# Altium PCB high-spped-thermocouple-logger-2ch.PcbDoc (part 2 of 3)
Units mm, origin at the board's own origin, x right, y up, seen from the top; angles counter-clockwise.
Board outline 200 x 100 mm, 4 copper layers (Top Layer, GND Layer, VCC Layer, Bottom Layer), stack 1.55 mm thick; 229 components, 201 nets, 660 pads, 226 vias.
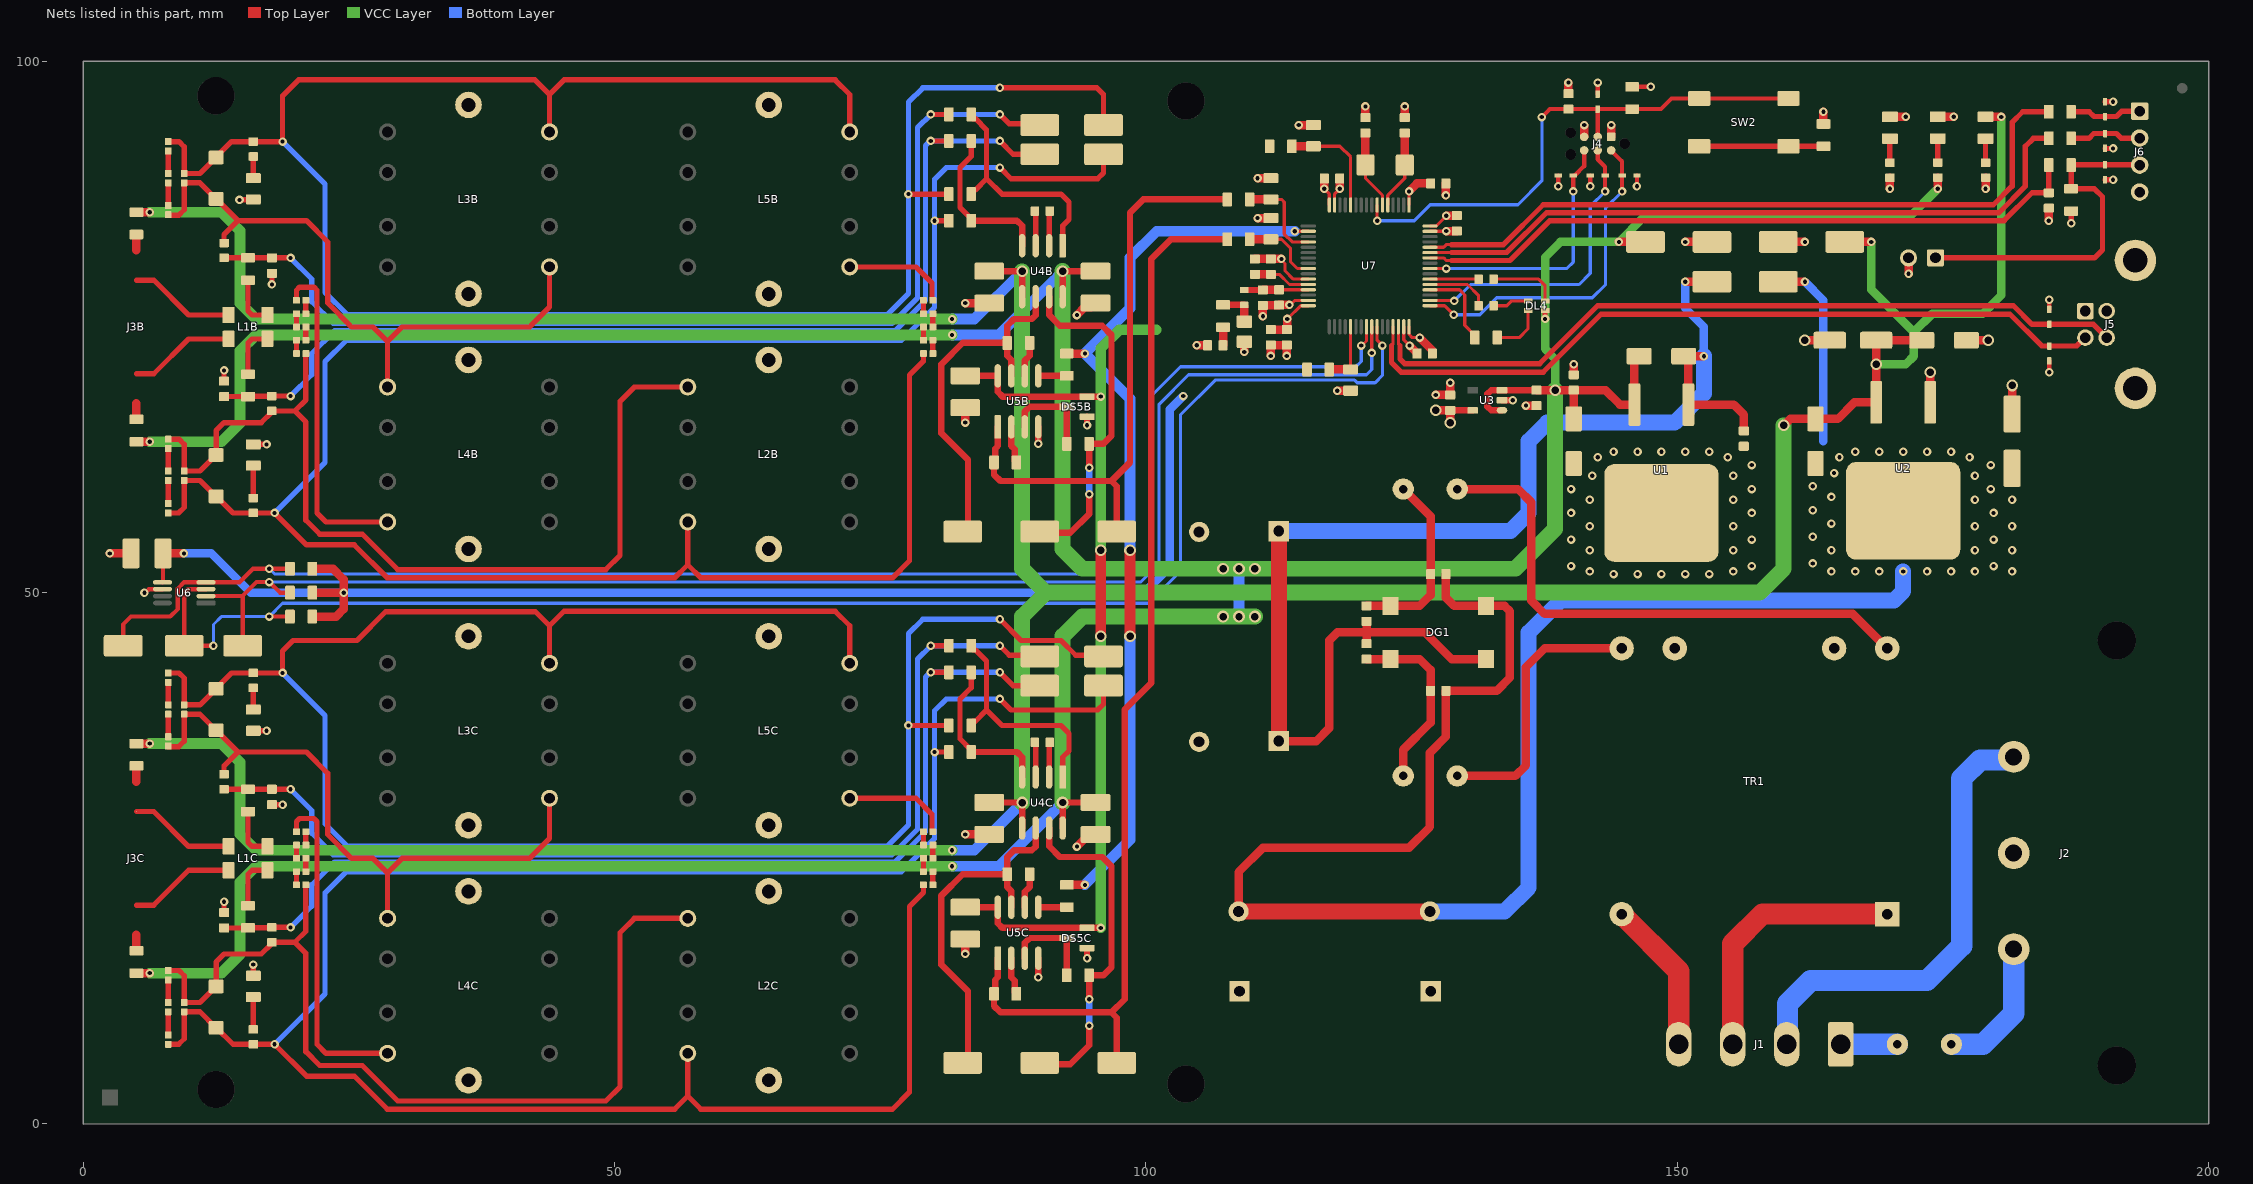
[diagram p4: the nets of this part, all layers, seen from the top]

## Part data
CE1 CE2 CE3 CE4: library part ECE-2200U35VXXM, "C; 2200u; 35V; 20%; Aluminum Electrolytic; ??;", Capacitance_F=0.0022, Dielectric_Type="Aluminum Electrolytic", Manufacturer="SU'SCON: SL035M222J26SR;;SU'SCON: SL035M222J26TKKKS00R", Tolerance_Pct=20, Voltage_Rating_V=35, Component_Class=Capacitor, ComponentLink1Description=Helios, ComponentLink1URL=heliosgreen://v1/hegMT/5-MT/Classes(343)/Folders/OpenForm?RecordNumbers=[380279], ComponentLink2Description=ECE-2200U35VXXM_Su'sconEN100.pdf, ComponentLink2URL=I:\datasheets\ECE-2200U35VXXM_Su'sconEN100.pdf, KK=ECE-2200U35VXXM, SMD=0, Status_I=Production, Status_II=Active
CE5: library part ECE+47U35VXX0, "C; 47u; 35V; 20%; Aluminum Electrolytic; ??;", Capacitance_F=4.7E-5, Dielectric_Type="Aluminum Electrolytic", Manufacturer="Surge, MPN: SVZ21V470M0605V1", Tolerance_Pct=20, Voltage_Rating_V=35, Component_Class=Capacitor, ComponentLink1Description=Helios, ComponentLink1URL=heliosgreen://v1/hegMT/5-MT/Classes(343)/Folders/OpenForm?RecordNumbers=[18329439], ComponentLink2Description=ECE+47U35VXX0_SurgeEN100.pdf, ComponentLink2URL=I:\DataSheets\ECE+47U35VXX0_SurgeEN100.pdf, KK=ECE+47U35VXX0, SMD=1, Status_I=Production, Status_II=Active
CE6: library part ECE+10U35VXXM, "C; 10u; 35V; 20%; Aluminum Electrolytic; ??;", Capacitance_F=1E-5, Dielectric_Type="Aluminum Electrolytic", Manufacturer="SAMWHA: SC1V106M05005VR259;;SAMWHA: SC1V106M05005VR289", Resistance_Ohm=20, Voltage_Rating_V=35, Component_Class=Capacitor, ComponentLink1Description=Helios, ComponentLink1URL=heliosgreen://v1/hegMT/5-MT/Classes(343)/Folders/OpenForm?RecordNumbers=[380259], ComponentLink2Description=ECE+10U35VXXM_Nippon.pdf, ComponentLink2URL=i:\datasheets\ECE+10U35VXXM_Nippon.pdf, ComponentLink3Description=ECE+10U35VXXM_Jamicon.pdf, ComponentLink3URL=i:\datasheets\ECE+10U35VXXM_Jamicon.pdf, ComponentLink4Description=ECE+10U35VXXM_Panasonic_serie_ECEV.pdf, ComponentLink4URL=i:\datasheets\ECE+10U35VXXM_Panasonic_serie_ECEV.pdf, ComponentLink5Description=ECE+10U35VXXM_Shamwha.pdf, ComponentLink5URL=i:\DataSheets\ECE+10U35VXXM_Shamwha.pdf, ComponentLink6Description=ECE+10U35VXXM-a.jpg, ComponentLink6URL=i:\DataSheets\SMD_parts_pictures\ECE+10U35VXXM-a.jpg, ComponentLink7Description=ECE+10U35VXXM-b.jpg, ComponentLink7URL=i:\DataSheets\SMD_parts_pictures\ECE+10U35VXXM-b.jpg, ComponentLink8Description=ECE+10U35VXXM-c.jpg, ComponentLink8URL=i:\DataSheets\SMD_parts_pictures\ECE+10U35VXXM-c.jpg, KK=ECE+10U35VXXM, SMD=1, Status_I=Production, Status_II=Active, Tolerance_Pct=20
CK1 CK2 CK5 CK6 CK21: library part ECK+10N50V0603XX0, "C; 10n; 50V; 5%; NP0/C0G; ??;", Capacitance_F=1E-8, Dielectric_Type=NP0/C0G, Manufacturer="TDK: C1608C0G1H103J080AA", Tolerance_Pct=5, Voltage_Rating_V=50, Component_Class=Capacitor, ComponentLink1Description=Helios, ComponentLink1URL=heliosgreen://v1/hegMT/5-MT/Classes(343)/Folders/OpenForm?RecordNumbers=[12587254], ComponentLink2Description=ECK+10N50V0603XX0_TdkEN100.pdf, ComponentLink2URL=I:\DataSheets\ECK+10N50V0603XX0_TdkEN100.pdf, KK=ECK+10N50V0603XX0, SMD=1, Status_I=Production, Status_II="Do not order. Upon confirmation."
CK3: library part ECK+470N50V0603XXK, "C; 470n; 50V; 10%; X7R; ??;", Capacitance_F=4.7E-7, Dielectric_Type=X7R, Manufacturer="TDK: C1608X7R1H474KT-S;;TDK: C1608X7R1H474KT000E;;TDK: C1608X7R1H474K080AC", Tolerance_Pct=10, Voltage_Rating_V=50, Component_Class=Capacitor, ComponentLink1Description=Helios, ComponentLink1URL=heliosgreen://v1/hegMT/5-MT/Classes(343)/Folders/OpenForm?RecordNumbers=[6094421], ComponentLink2Description=ECK+470N50V0603XXK_TDKEN100.pdf, ComponentLink2URL=i:\datasheets\ECK+470N50V0603XXK_TDKEN100.pdf, KK=ECK+470N50V0603XXK, Note="X7R: 440n @ 5V, 330n @ 12V, 170n @ 25V (TDK)", SMD=1, Status_I=Production, Status_II=Active
CK4 CK18 CK25 CK26 CK27 CK28 CK29 CK30: library part ECK+100N100VXX0, "C; 100n; 100V; 10%; X7R; ??;", Capacitance_F=1E-7, Dielectric_Type=X7R, Manufacturer="Murata Electronics: GRM188R72A104KA35D;;Yageo: CC0603KRX7R0BB104", Tolerance_Pct=10, Voltage_Rating_V=100, Component_Class=Capacitor, ComponentLink1Description=Helios, ComponentLink1URL=heliosgreen://v1/hegMT/5-MT/Classes(343)/Folders/OpenForm?RecordNumbers=[10556034], ComponentLink2Description=ECK+100N100VXX0_MurataEN100.pdf, ComponentLink2URL=I:\DataSheets\ECK+100N100VXX0_MurataEN100.pdf, ComponentLink3Description=ECK+100N100VXX0_YageoEN100.pdf, ComponentLink3URL=I:\DataSheets\ECK+100N100VXX0_YageoEN100.pdf, ComponentLink4Description=ECK+100N100VXX0_2_MurataEN100.pdf, ComponentLink4URL=i:\DataSheets\ECK+100N100VXX0_2_MurataEN100.pdf, ComponentLink5Description=ECK+100N100VXX0_2_YageoEN100.pdf, ComponentLink5URL=i:\DataSheets\ECK+100N100VXX0_2_YageoEN100.pdf, KK=ECK+100N100VXX0, SMD=1, Status_I=Production, Status_II=Active
CK7 CK8 CK22 CK23 CK31: library part ECK+1U50VXX0, "C; 1u; 50V; 10%; X5R; ??;", Capacitance_F=1E-6, Dielectric_Type=X5R, Manufacturer="TDK: C1608X5R1H105K080AB;;TDK: CGA3E3X5R1H105K080AB;;Murata: GRT188R61H105KE13D;;AVX: 06035D105KAT2A", Tolerance_Pct=10, Voltage_Rating_V=50, Component_Class=Capacitor, ComponentLink1Description=Helios, ComponentLink1URL=heliosgreen://v1/hegMT/5-MT/Classes(343)/Folders/OpenForm?RecordNumbers=[9390428], ComponentLink2Description=ECK+1U50VXX0_TDKEN100.pdf, ComponentLink2URL=i:\DataSheets\ECK+1U50VXX0_TDKEN100.pdf, ComponentLink3Description=ECK+1U50VXX0_AVX_EN100.pdf, ComponentLink3URL=I:\DataSheets\ECK+1U50VXX0_AVX_EN100.pdf, ComponentLink4Description=ECK+1U50VXX0_MurataEN100.pdf, ComponentLink4URL=I:\DataSheets\ECK+1U50VXX0_MurataEN100.pdf, ComponentLink5Description=ECK+1U50VXX0_TDK_EN101.pdf, ComponentLink5URL=I:\DataSheets\ECK+1U50VXX0_TDK_EN101.pdf, ComponentLink6Description=ECK+1U50VXX0_2_AVX_EN100.pdf, ComponentLink6URL=i:\DataSheets\ECK+1U50VXX0_2_AVX_EN100.pdf, KK=ECK+1U50VXX0, Note="X5R: 0.52uF @ 10V, 0.2uF @ 25V (Murata)", SMD=1, Status_I=Production, Status_II=Active
CK9B CK9C CK10B CK10C: library part ECK+220N16VXX0, "C; 220n; 16V; 10%; X7R; ??;", Capacitance_F=2.2E-7, Dielectric_Type=X7R, Manufacturer="TDK Corporation: C1608X7R1C224K080AC;;AVX Corporation: 0603YC224KAT2A;;Samsung: CL10B224KO8NNNC", Tolerance_Pct=10, Voltage_Rating_V=16, Component_Class=Capacitor, ComponentLink1Description=Helios, ComponentLink1URL=heliosgreen://v1/hegMT/5-MT/Classes(343)/Folders/OpenForm?RecordNumbers=[9390379], ComponentLink2Description=ECK+220N16VXX0_TDKEN100.pdf, ComponentLink2URL=i:\DataSheets\ECK+220N16VXX0_TDKEN100.pdf, ComponentLink3Description=ECK+220N16VXX0_AVXCorporationEN100.pdf, ComponentLink3URL=I:\DataSheets\ECK+220N16VXX0_AVXCorporationEN100.pdf, ComponentLink4Description=ECK+220N16VXX0_SamsungEN100.pdf, ComponentLink4URL=I:\DataSheets\ECK+220N16VXX0_SamsungEN100.pdf, ComponentLink5Description=ECK+220N16VXX0_2_SamsungEN100.pdf, ComponentLink5URL=i:\DataSheets\ECK+220N16VXX0_2_SamsungEN100.pdf, KK=ECK+220N16VXX0, SMD=1, Status_I=Production, Status_II=Active
CK11B CK11C CK12B CK12C: library part ECK+1N50VXXJ, "C; 1n; 50V; 5%; NP0/C0G; ??;", Capacitance_F=1E-9, Dielectric_Type=NP0/C0G, Manufacturer="YAGEO: CC0805JRNPO9BN102;;AVX: 0805 5A 102 JAT2A", Tolerance_Pct=5, Voltage_Rating_V=50, Component_Class=Capacitor, ComponentLink1Description=Helios, ComponentLink1URL=heliosgreen://v1/hegMT/5-MT/Classes(343)/Folders/OpenForm?RecordNumbers=[380366], ComponentLink2Description=ECK+1N50VXXJ_Yageo.pdf, ComponentLink2URL=i:\datasheets\ECK+1N50VXXJ_Yageo.pdf, ComponentLink3Description=ECK+1N50VXXJ_2_YageoEN100.pdf, ComponentLink3URL=i:\DataSheets\ECK+1N50VXXJ_2_YageoEN100.pdf, ComponentLink4Description=ECK+1N50VXXJ_AVX_EN100.pdf, ComponentLink4URL=i:\DataSheets\ECK+1N50VXXJ_AVX_EN100.pdf, KK=ECK+1N50VXXJ, SMD=1, Status_I=Production, Status_II=Active
CK13B CK13C CK14B CK14C CK15B CK15C CK17: library part ECK+10U50VXX0, "C; 10u; 50V; 10%; X7R; ??;", Capacitance_F=1E-5, Dielectric_Type=X7R, Manufacturer="Murata: GRM32ER71H106KA12L;;Samsung Electro-mechanics: CL32B106KBJNNNE", Tolerance_Pct=10, Voltage_Rating_V=50, Component_Class=Capacitor, ComponentLink1Description=Helios, ComponentLink1URL=heliosgreen://v1/hegMT/5-MT/Classes(343)/Folders/OpenForm?RecordNumbers=[10658879], ComponentLink2Description=ECK+10U50VXX0_MurataEN100.pdf, ComponentLink2URL=I:\DataSheets\ECK+10U50VXX0_MurataEN100.pdf, ComponentLink3Description=ECK+10U50VXX0_SamsungEN100.pdf, ComponentLink3URL=I:\DataSheets\ECK+10U50VXX0_SamsungEN100.pdf, KK=ECK+10U50VXX0, Note="X7R, 9uF @ 10V, 5uF @ 30V, 2.5uF @ 50V", SMD=1, Status_I=Production, Status_II=Active
CK16A CK16B CK16C CK16D: library part ECK+220P50VXXJ, "C; 220p; 50V; 5%; NP0/C0G; ??;", Capacitance_F=2.2E-10, Dielectric_Type=NP0/C0G, Manufacturer="SAMSUNG EM: CL21C221JBANNNC;;VISHAY: VJ0805A221JXACW1BC 220pF 50V 5%", Tolerance_Pct=5, Voltage_Rating_V=50, Component_Class=Capacitor, ComponentLink1Description=Helios, ComponentLink1URL=heliosgreen://v1/hegMT/5-MT/Classes(343)/Folders/OpenForm?RecordNumbers=[380369], ComponentLink2Description=ECK+1N50VXXJ_Yageo.pdf, ComponentLink2URL=i:\datasheets\ECK+1N50VXXJ_Yageo.pdf, ComponentLink3Description=ECK+220P50VXXJ_SamsungEmEN100, ComponentLink3URL=i:\DataSheets\ECK+220P50VXXJ_SamsungEmEN100.pdf, ComponentLink4Description=ECK+220P50VXXJ_VishayEN100, ComponentLink4URL=i:\DataSheets\ECK+220P50VXXJ_VishayEN100.pdf, ComponentLink5Description=ECK+220P50VXXJ_2_SamsungEN100.pdf, ComponentLink5URL=i:\DataSheets\ECK+220P50VXXJ_2_SamsungEN100.pdf, KK=ECK+220P50VXXJ, SMD=1, Status_I=Production, Status_II=Active
CK19 CK20: library part ECK+15P25VXX0, "C; 15p; 25V; 5%; NP0/C0G; ??;", Capacitance_F=1.5E-11, Dielectric_Type=NP0/C0G, Manufacturer="Samsung: CL10C150JB81PNC", Tolerance_Pct=5, Voltage_Rating_V=25, Component_Class=Capacitor, ComponentLink1Description=Helios, ComponentLink1URL=heliosgreen://v1/hegMT/5-MT/Classes(343)/Folders/OpenForm?RecordNumbers=[10889343], ComponentLink2Description=ECK+15P25VXX0_SamsungEN101.pdf, ComponentLink2URL=I:\DataSheets\ECK+15P25VXX0_SamsungEN101.pdf, ComponentLink3Description=ECK+15P25VXX0_2_SamsungEN101.pdf, ComponentLink3URL=i:\DataSheets\ECK+15P25VXX0_2_SamsungEN101.pdf, KK=ECK+15P25VXX0, SMD=1, Status_I=Production, Status_II=Active
CK24: library part ECK+4U725VXX0, "C; 4u7; 25V; 20%; X5R; ??;", Capacitance_F=4.7E-6, Dielectric_Type=X5R, Manufacturer="TDK Corporation: C1608X5R1E475M080AC", Tolerance_Pct=20, Voltage_Rating_V=25, Component_Class=Capacitor, ComponentLink1Description=Helios, ComponentLink1URL=heliosgreen://v1/hegMT/5-MT/Classes(343)/Folders/OpenForm?RecordNumbers=[8599163], ComponentLink2Description="ECK+4U725VXX0_TDK CorporationEN100.pdf", ComponentLink2URL="I:\DataSheets\ECK+4U725VXX0_TDK CorporationEN100.pdf", KK=ECK+4U725VXX0, Note="X5R, 1.2uF @ 10V, 2.6uF @ 5V, 3.6uF @ 3.3V", SMD=1, Status_I=Production, Status_II=Active
CK32C CK32D CK32E CK32F CK33C CK33D CK33E CK33F CK34C CK34D CK34E CK34F CK35C CK35D CK35E CK35F CK37C CK37D CK37E CK37F CK38C CK38D CK38E CK38F CK40C CK40D CK40E CK40F: library part ECK+470P50V0402XX0, "C; 470p; 50V; 1%; NP0/C0G; ??;", Capacitance_F=4.7E-10, Dielectric_Type=NP0/C0G, Manufacturer="Kemet: C0402C471F5GAC7867;;Murata: GRM1555C1H471FA01D", Tolerance_Pct=1, Voltage_Rating_V=50, Component_Class=Capacitor, ComponentLink1Description=Helios, ComponentLink1URL=heliosgreen://v1/hegMT/5-MT/Classes(343)/Folders/OpenForm?RecordNumbers=[14965054], ComponentLink2Description=ECK+470P50V0402XX0_KemetEN100.pdf, ComponentLink2URL=I:\DataSheets\ECK+470P50V0402XX0_KemetEN100.pdf, ComponentLink3Description=ECK+470P50V0402XX0_MurataEN100.pdf, ComponentLink3URL=I:\DataSheets\ECK+470P50V0402XX0_MurataEN100.pdf, ComponentLink4Description=ECK+470P50V0402XX0_2_KemetEN100.pdf, ComponentLink4URL=i:\DataSheets\ECK+470P50V0402XX0_2_KemetEN100.pdf, ComponentLink5Description=ECK+470P50V0402XX0_2_MurataEN100.pdf, ComponentLink5URL=i:\DataSheets\ECK+470P50V0402XX0_2_MurataEN100.pdf, KK=ECK+470P50V0402XX0, SMD=1, Status_I=Production, Status_II=Active
CK36C CK36D CK36E CK36F CK39C CK39D CK39E CK39F: library part ECK+220P50V0402XX0, "C; 220p; 50V; 1%; NP0/C0G; ??;", Capacitance_F=2.2E-10, Dielectric_Type=NP0/C0G, Manufacturer="YAGEO: CC0402FRNPO9BN221", Tolerance_Pct=1, Voltage_Rating_V=50, Component_Class=Capacitor, ComponentLink1Description=Helios, ComponentLink1URL=heliosgreen://v1/hegMT/5-MT/Classes(343)/Folders/OpenForm?RecordNumbers=[15269853], ComponentLink2Description=ECK+220P50V0402XX0_YAGEO_NP0_EN100.pdf, ComponentLink2URL=I:\DataSheets\ECK+220P50V0402XX0_YAGEO_NP0_EN100.pdf, ComponentLink3Description=ECK+220P50V0402XX0_2_YageoEN100.pdf, ComponentLink3URL=i:\DataSheets\ECK+220P50V0402XX0_2_YageoEN100.pdf, KK=ECK+220P50V0402XX0, SMD=1, Status_I=Production, Status_II=Active
CK41: library part ECK+100N50V0603XXK, "C; 100n; 50V; 10%; X7R; ??;", Capacitance_F=1E-7, Dielectric_Type=X7R, Manufacturer="SAMSUNG EM: CL10B104KB8NNNC;;SAMSUNG EM: CL10B104KB8NNNO;;SAMSUNG EM: CL10B104KB8NNND", Tolerance_Pct=10, Voltage_Rating_V=50, Component_Class=Capacitor, ComponentLink1Description=Helios, ComponentLink1URL=heliosgreen://v1/hegMT/5-MT/Classes(343)/Folders/OpenForm?RecordNumbers=[6094397], ComponentLink2Description=ECK+100N50V0603XXK_SamsungEN100.pdf, ComponentLink2URL=i:\datasheets\ECK+100N50V0603XXK_SamsungEN100.pdf, ComponentLink3Description=ECK+100N50V0603XXK_Samsung_2EN100.pdf.pd, ComponentLink3URL=I:\datasheets\ECK+100N50V0603XXK_Samsung_2EN100.pdf.pdf, KK=ECK+100N50V0603XXK, SMD=1, Status_I=Production, Status_II=Active
CVAR1C CVAR1D CVAR1E CVAR1F: library part CTSC3S, "3.5 - 10pF, 50V", ComponentLink1Description=Datasheet, ComponentLink1URL=https://store.comet.bg/download-file.php?id=2362
DG1: library part EDG+DF04SXX0, "D; Bridge; 400V; 1A; 1x;", Current_Rating_A=1, Manufacturer="YYE: DB107S T/R;;MicroElectronics: DB107S T/R;;GENERAL SEMICONDUCTOR: DF04S(A);;FAI: DF04S;;DIOTEC: B250(F)S", Reverse_Voltage_Rating_V=400, Component_Class=Diode, ComponentLink1Description=Helios, ComponentLink1URL=heliosgreen://v1/hegMT/5-MT/Classes(343)/Folders/OpenForm?RecordNumbers=[380577], ComponentLink2Description=EDG+DF04SXX0_Vishay.pdf, ComponentLink2URL=i:\DataSheets\EDG+DF04SXX0_Vishay.pdf, ComponentLink3Description=EDG+DF04SXX0_Fairchild.pdf, ComponentLink3URL=i:\DataSheets\EDG+DF04SXX0_Fairchild.pdf, ComponentLink4Description=EDG+DF04SXX0-a.jpg, ComponentLink4URL=i:\DataSheets\SMD_parts_pictures\EDG+DF04SXX0-a.jpg, Diode_Type=Bridge, KK=EDG+DF04SXX0, Multiplicity=1, SMD=1, Status_I=Production, Status_II=Active
DL1 DL2: library part EDL+SMDBLUEXX0, "Ind; Light; Blue;", Manufacturer="MULTICOMP: OVS-0803", Component_Class=Indicator, ComponentLink1Description=Helios, ComponentLink1URL=heliosgreen://v1/hegMT/5-MT/Classes(343)/Folders/OpenForm?RecordNumbers=[3654099], ComponentLink2Description=EDL+SMDBLUEXX0_Multicomp.pdf, ComponentLink2URL=i:\DataSheets\EDL+SMDBLUEXX0_Multicomp.pdf, Indicator_Output=Blue, Indicator_Type=Light, KK=EDL+SMDBLUEXX0, Note=465nm, SMD=1, Status_I=Production, Status_II=Active
DL3: library part EDL+SMDGREENXX0, "Ind; Light; Green;", Manufacturer="HEBEI: 0805KGCT;;BRIGHTLED: BL-HGE35A-AV-TRB", Component_Class=Indicator, ComponentLink1Description=Helios, ComponentLink1URL=heliosgreen://v1/hegMT/5-MT/Classes(343)/Folders/OpenForm?RecordNumbers=[380588], ComponentLink2Description=EDL+SMDGREENXX0_KingBright.pdf, ComponentLink2URL=i:\datasheets\EDL+SMDGREENXX0_KingBright.pdf, ComponentLink3Description=EDL+SMDGREENXX0_Hebei_EN100, ComponentLink3URL=i:\DataSheets\EDL+SMDGREENXX0_Hebei_EN100.pdf, ComponentLink4Description=EDL+SMDGREENXX0_Brightled_EN100, ComponentLink4URL=i:\DataSheets\EDL+SMDGREENXX0_Brightled_EN100.pdf, Indicator_Output=Green, Indicator_Type=Light, KK=EDL+SMDGREENXX0, Note=570nm, SMD=1, Status_I=Production, Status_II=Active
DL4: library part EDL+150066M173000X00, "Ind; Light; Red/Green/Blue;", Manufacturer="Würth: 150066M173000", Component_Class=Indicator, ComponentLink1Description=Helios, ComponentLink1URL=heliosgreen://v1/hegMT/5-MT/Classes(343)/Folders/OpenForm?RecordNumbers=[12710357], ComponentLink2Description=EDL+150066M173000_WurthEN100.pdf, ComponentLink2URL=i:\DataSheets\EDL+150066M173000_WurthEN100.pdf, Indicator_Output=Red/Green/Blue, Indicator_Type=Light, KK=EDL+150066M173000X00, SMD=1, Status_I=Production, Status_II=Active
DS1 DS2 DS3 DS4: library part EDS+B340AXX0, "D; Schottky; 40V; 3A; 1x;", Current_Rating_A=3, Manufacturer="DIODES INC: B340A-13-F;;ONS: MBRA340T3G;;VISHAY: SSA34;;BOURNS: B340LF;;MCC: SK34A-LTP", Reverse_Voltage_Rating_V=40, Component_Class=Diode, ComponentLink1Description=Helios, ComponentLink1URL=heliosgreen://v1/hegMT/5-MT/Classes(343)/Folders/OpenForm?RecordNumbers=[4517485], ComponentLink2Description=EDS+B340AXX0_Vishay.pdf, ComponentLink2URL=i:\DataSheets\EDS+B340AXX0_Vishay.pdf, ComponentLink3Description=EDS+B340AXX0_OnSemi.pdf, ComponentLink3URL=i:\datasheets\EDS+B340AXX0_OnSemi.pdf, ComponentLink4Description=EDS+B340AXX0_Diodes.pdf, ComponentLink4URL=i:\DataSheets\EDS+B340AXX0_Diodes.pdf, ComponentLink5Description=EDS+B340AXX0_Bourns.pdf, ComponentLink5URL=i:\datasheets\EDS+B340AXX0_Bourns.pdf, ComponentLink6Description=EDS+B340AXX0_MCCEN100.pdf, ComponentLink6URL=I:\DataSheets\EDS+B340AXX0_MCCEN100.pdf, Diode_Type=Schottky, KK=EDS+B340AXX0, Multiplicity=1, SMD=1, Status_I=Production, Status_II=Active
DS5B DS5C: library part EDS+BAT54SXX0, "D; Schottky; 30V; 0.2A; 2x;", Current_Rating_A=0.2, Manufacturer="Diotec: BAT54S;;Philips: BAT54S,235;;FAI: BAT54S;;DIODES INC: BAT54S-7-F;;NXP: BAT54S,235", Reverse_Voltage_Rating_V=30, Component_Class=Diode, ComponentLink1Description=Helios, ComponentLink1URL=heliosgreen://v1/hegMT/5-MT/Classes(343)/Folders/OpenForm?RecordNumbers=[380625], ComponentLink2Description=EDS+BAT54SXX0_Vishay.pdf, ComponentLink2URL=i:\DataSheets\EDS+BAT54SXX0_Vishay.pdf, ComponentLink3Description=EDS+BAT54SXX0_Fairchild.pdf, ComponentLink3URL=i:\DataSheets\EDS+BAT54SXX0_Fairchild.pdf, ComponentLink4Description=EDS+BAT54SXX0_Diodes.pdf, ComponentLink4URL=i:\DataSheets\EDS+BAT54SXX0_Diodes.pdf, ComponentLink5Description=EDS+BAT54SXX0_NxpEN100.pdf, ComponentLink5URL=I:\datasheets\EDS+BAT54SXX0_NxpEN100.pdf, ComponentLink6Description=EDS+BAT54SXX0_DiotecEN100.pdf, ComponentLink6URL=I:\DataSheets\EDS+BAT54SXX0_DiotecEN100.pdf, Diode_Type=Schottky, KK=EDS+BAT54SXX0, Multiplicity=2, SMD=1, Status_I=Production, Status_II=Active
DZ1 DZ2 DZ3 DZ4 DZ5 DZ6 DZ7 DZ8 DZ9: library part ED+PESD3V3U1UBXX0, "CP; Voltage [V] - Unidirectional; 4.5; R:Yes; 1x;", Manufacturer="Nexperia: PESD3V3U1UB,115;;NXP: PESD3V3U1UB,115", Component_Class="Circuit Protection", ComponentLink1Description=Helios, ComponentLink1URL=heliosgreen://v1/hegMT/5-MT/Classes(343)/Folders/OpenForm?RecordNumbers=[10662650], ComponentLink2Description=ED+PESD3V3U1UBXX0_NexperiaEN100.pdf, ComponentLink2URL=I:\DataSheets\ED+PESD3V3U1UBXX0_NexperiaEN100.pdf, KK=ED+PESD3V3U1UBXX0, Multiplicity=1, Physical_Quantity="Voltage [V] - Unidirectional", Resettable=Yes, SMD=1, Status_I=Production, Status_II=Active, Trip_Threshold=4.5
F1 F2: library part EF-MST0.2ASC0, "CP; Current [A]; 0.2; R:No; 1x;", Manufacturer="SCHURTER: MST250 0034.6608;;SCHURTER: MST250 0034.6708", Component_Class="Circuit Protection", ComponentLink1Description=Helios, ComponentLink1URL=heliosgreen://v1/hegMT/5-MT/Classes(343)/Folders/OpenForm?RecordNumbers=[380401], ComponentLink2Description=EF-MST_250_Schurter.pdf, ComponentLink2URL=i:\DataSheets\EF-MST_250_Schurter.pdf, KK=EF-MST0.2ASC0, Multiplicity=1, Physical_Quantity="Current [A]", Resettable=No, SMD=0, Status_I=Production, Status_II=Active, Trip_Threshold=0.2
F3: library part EF-MST1.0ASC0, "CP; Current [A]; 1; R:No; 1x;", Manufacturer="SCHURTER: 34,6615", Component_Class="Circuit Protection", ComponentLink1Description=Helios, ComponentLink1URL=heliosgreen://v1/hegMT/5-MT/Classes(343)/Folders/OpenForm?RecordNumbers=[380402], ComponentLink2Description=EF-MSTxASC0_Schurter.pdf, ComponentLink2URL=i:\DataSheets\EF-MSTxASC0_Schurter.pdf, ComponentLink3Description=EF-MST_250_Schurter.pdf, ComponentLink3URL=i:\DataSheets\EF-MST_250_Schurter.pdf, KK=EF-MST1.0ASC0, Multiplicity=1, Physical_Quantity="Current [A]", Resettable=No, SMD=0, Status_I=Production, Status_II=Active, Trip_Threshold=1
FB1: library part EL+JCB09152XX0, "Flt; Chip Bead; 0.7Ohm; 0.2A; ??V; 1x;", Current_Rating_A=0.2, Manufacturer="COILMASTER: MB2012-152-LF;;JANTEK: JCB201209-152;;King Core: FBM-10-201209-102;;YAGEO: SBK2012T-152Y-S;;TDK: MMZ2012Y152B", Resistance_Ohm=0.7, Component_Class=Filter, ComponentLink1Description=Helios, ComponentLink1URL=heliosgreen://v1/hegMT/5-MT/Classes(343)/Folders/OpenForm?RecordNumbers=[381245], ComponentLink2Description=EL+JCB09152XX0_Coilmaster.pdf, ComponentLink2URL=i:\DataSheets\EL+JCB09152XX0_Coilmaster.pdf, Filter_Type="Chip Bead", KK=EL+JCB09152XX0, Mounting_Style=PCB, Multiplicity=1, SMD=1, Status_I=Production, Status_II=Active
FB2: library part EL+MMZ1608B301XX0, "Flt; Chip Bead; 0.25Ohm; 0.5A; ??V; 1x;", Current_Rating_A=0.5, Manufacturer="TDK: MMZ1608B301CTAH0;;TDK: MMZ1608B301CT", Resistance_Ohm=0.25, Component_Class=Filter, ComponentLink1Description=Helios, ComponentLink1URL=heliosgreen://v1/hegMT/5-MT/Classes(343)/Folders/OpenForm?RecordNumbers=[10556082], ComponentLink2Description="EL+MMZ1608B301XX0_TDK EN100.pdf", ComponentLink2URL="I:\DataSheets\EL+MMZ1608B301XX0_TDK EN100.pdf", Filter_Type="Chip Bead", KK=EL+MMZ1608B301XX0, Mounting_Style=PCB, Multiplicity=1, SMD=1, Status_I=Production, Status_II=Active
FM1: library part 000+FMC100, "De; Fiducial Mark;", Component_Class="Design Entity", ComponentLink1Description=Helios, ComponentLink1URL=heliosgreen://v1/hegMT/5-MT/Classes(343)/Folders/OpenForm?RecordNumbers=[12022158], Entity_Type="Fiducial Mark", KK=000+FMC100, SMD=1, Status_I=Development, Status_II=Testing